# KiCad board Boston-keyboard-S.kicad_pcb (continued)
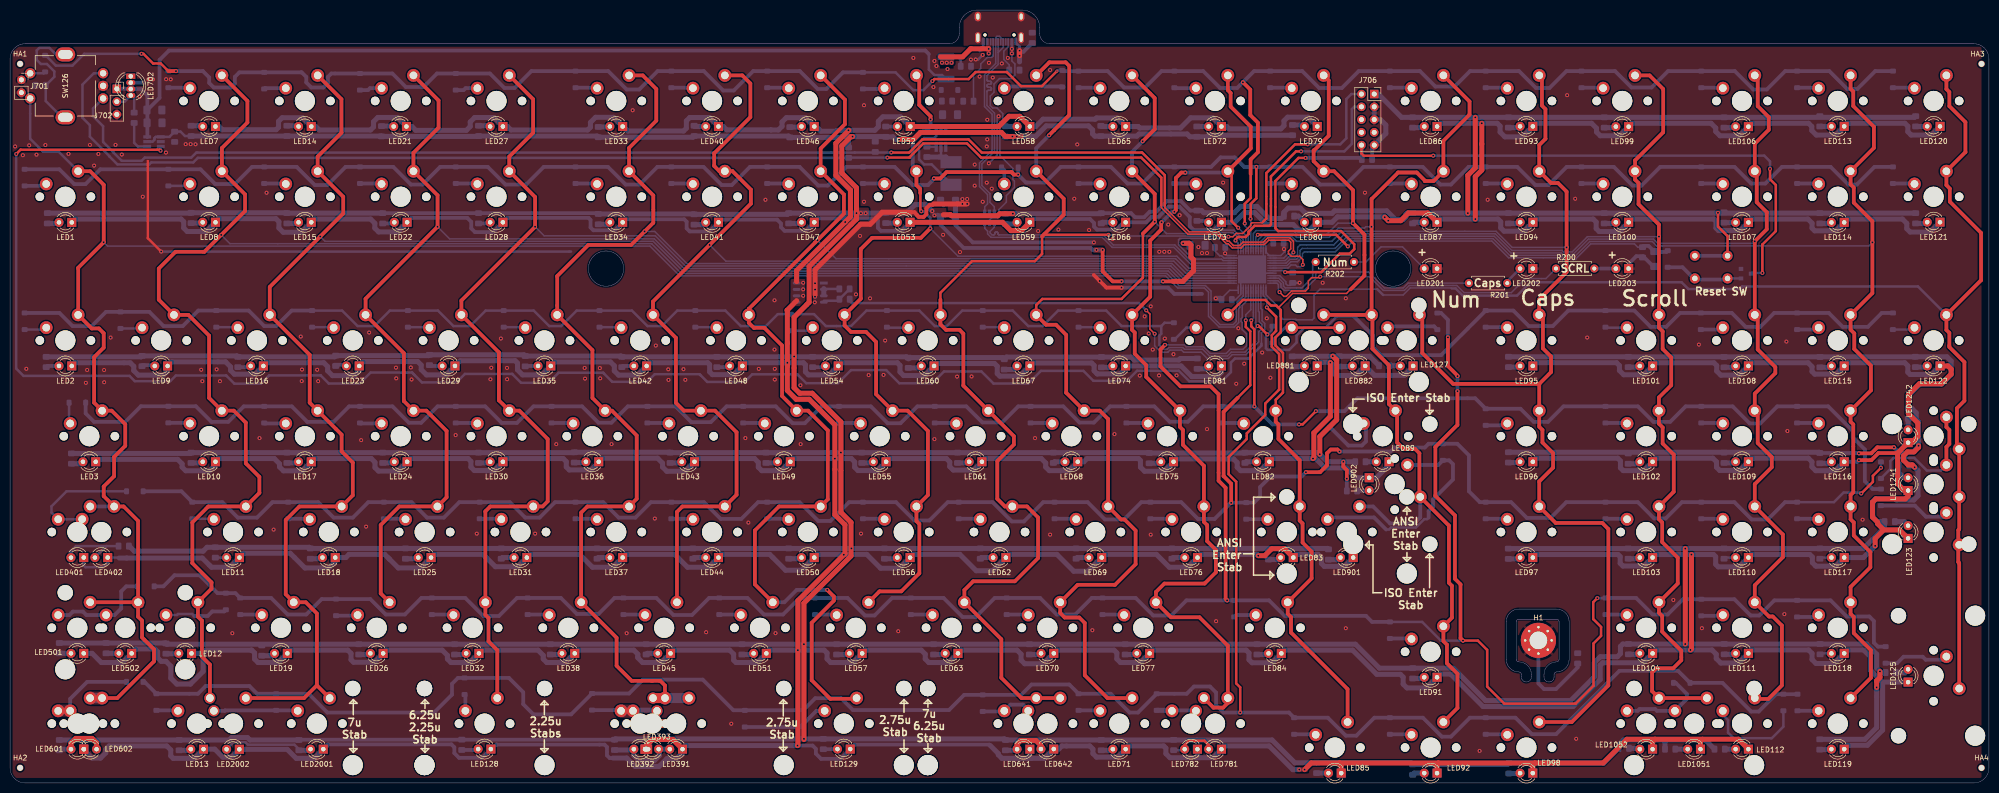
[diagram p0: board, top side]
## Routing (per net, layer and track width the routed paths; a pad name or vN(x,y) marks a point on that pad's centre or on a via; arc(x,y) is an arc through that point) (continued)
  Bottom w0.75: v1(162.49,38.39) 156.42,38.39 153.96,35.93 SW51.1
Col9: length 203.5
  Top w0.5: v1(181.18,113.69) 181,113.87 181,117.26 180.96,117.3
  Top w0.75: SW52.1 180.78,140.15 180.78,134.84 183.03,132.59 v1(183.03,131.95) ; v1(182.97,110.28) 181.1,108.4 171.4,108.4 169.16,106.16 169.16,96.3 SW54.1 165.94,90.96 167.2,89.7 170.2,89.7 172.2,87.7 172.2,77.3 SW55.1 178.47,74.03 182.5,70 182.5,57.25 SW56.1 180.23,52.07 180.8,51.5 180.8,41.7 177.2,38.1 172.87,38.1 SW57.1 ; SW53.1 180.23,118.88 180.96,118.15 180.96,117.3
  Bottom w0.3: U701.31 234.37,102.38 232,104.75 188.5,104.75 v1(182.97,110.28)
  Bottom w0.5: v1(181.18,113.69) 181.65,113.69 182.97,112.35 v1(182.97,110.28)
  Bottom w0.75: v1(183.03,131.95) 183.03,130.53 182.09,129.59 181.52,129.59 179.5,127.57 179.5,122.38 SW53.1
Col10: length 236.9
  Top w0.5: 205.2,108.7 205.2,105.2 203.75,103.75 191.25,103.75 184.99,97.49 184.99,96.09 ; v1(218.4,109) 205.75,109 205.62,109.12
  Top w0.75: SW59.1 209.5,116.19 209.5,113 205.2,108.7 ; SW58.1 206.64,143.3 209.9,143.3 210.6,142.6 210.6,132.8 v1(206.6,128.8) ; SW64-2.1 SW64-1.1 201.12,16.88 197.1,20.9 197.1,28.58 SW63.1 189.75,38.35 191.5,40.1 199.8,40.1 204.4,44.7 204.4,52.8 202.22,54.98 SW62.1 197.82,54.98 196.3,56.5 196.3,64 199.6,67.3 199.6,68.94 SW61.1 189.54,79 189.54,89.36 188.8,90.1 186.1,90.1 184.99,91.21 SW60.1 184.99,96.09
  Bottom w0.3: 219.2,109 v1(218.4,109) 220.48,109 220.71,108.76 240.07,108.76 240.75,109.44 243.16,109.44 244.71,107.89 U701.38
  Bottom w0.75: SW59.1 204.04,126.24 v1(206.6,128.8)
Col11: length 202.4
  Top w0.5: 225.25,109.25 225.25,100.5 221,96.25 205.25,96.25 204.04,95.04 SW67.1
  Top w0.75: SW71.1 218.22,16.88 213.7,21.4 213.7,31.8 212.6,32.9 209.7,32.9 208.8,33.8 SW70.1 212.27,39.4 219.7,39.4 223.8,43.5 223.8,50.2 221.6,52.4 220.91,52.4 SW69.1 218.33,72.37 216.67,74.03 SW68.1 210,77.59 210,89.1 207.98,91.12 206,91.12 SW67.1 ; v1(225.21,127.61) 227.6,130 227.6,136.19 SW65.1 ; SW66.1 227.6,117.15 v1(227.6,111.6) 225.25,109.25
  Bottom w0.3: U701.39 245.21,108.07 243.35,109.92 240.55,109.92 239.87,109.24 229.96,109.24 v1(227.6,111.6)
  Bottom w0.75: v1(225.21,127.61) 223.09,125.49 SW66.1
Col12: length 191.6
  Top w0.5: SW73.1 242.9,120.9 242.9,111.7 v1(244.2,110.4)
  Top w0.75: SW72.1 242.14,137.76 242.7,137.2 242.7,134.5 246.7,130.5 246.7,126.22 SW73.1 ; v1(231.5,113.6) 231.8,113.9 231.8,120.3 232.88,121.38 v1(233.68,121.38) ; SW78-2.1 239.28,14.97 241.2,14.97 242.14,15.91 SW78-1.1 242.14,27.3 236.49,32.95 230.83,32.95 SW77.1 227.85,37.98 229.52,39.65 237.52,39.65 239.76,41.89 239.76,46.35 238.03,48.08 238.03,51.27 237.38,51.92 SW76.1 237.38,63.07 233.22,67.23 233.22,70.19 232.62,70.8 SW75.1 225.91,80.73 225.91,83.07 223.63,85.35 223.63,89.57 223.09,90.11 SW74.1 226.7,96.69 226.7,107.86 228.89,110.05 228.89,111.41 v1(228.97,111.49)
  Bottom w0.3: U701.40 245.71,108.89 v1(244.2,110.4) ; 242.9,120.9 SW73.1
  Bottom w0.75: v1(233.68,121.38) 241.87,121.38 SW73.1 ; v1(228.97,111.49) 231.08,113.6 v1(231.5,113.6)
Col13: length 197.1
  Top w0.3: 252.12,94.59 252.26,94.59 255.02,97.34 265.75,97.34 266.57,98.17
  Top w0.5: SW81.1 245.11,96.05 249.61,96.05 250.72,94.94 251.77,94.94 252.67,94.04 252.67,89.64 251.61,88.58 251.61,86.99 253.1,85.5 253.1,77.63 251.67,76.19 SW82.1
  Top w0.75: SW85.1 265.95,18.65 254.7,29.9 254.7,33 254.05,33.65 SW84.1 258.8,40.68 258.8,46 257,47.8 257,51.6 256.43,52.17 SW83.1 256.43,64.17 252.2,68.4 252.2,71.3 251.67,71.83 SW82.1 251.67,74.02 ; SW79.1 262.2,139.69 262.2,128.7 259.3,125.8 259.2,125.8 259.2,123.65 SW80.1 263.25,121.66 267.03,117.88 267.03,111.33 v1(267.02,111.33) 269.3,109.05 269.3,100.9 266.57,98.17
  Bottom w0.3: U701.43 247.21,109.27 247.79,109.85 255.15,109.85 256,109 261.7,109 264.02,111.33 v1(267.02,111.33)
Col14: length 210.5
  Top w0.75: SW86.1 290.2,135.51 290.2,132.9 285,127.7 SW87.1 283.05,119.7 281.3,119.7 281.3,119.8 279.7,121.4 276,121.4 270.71,116.12 SW88-2.1 ; SW88-2.1 270.9,92.89 270.9,86.33 274.16,83.07 274.16,75.35 SW89.1 275.8,73.71 275.8,67.7 277.1,66.4 279.4,66.4 280.22,65.58 280.22,57.06 SW90-2.1 ; SW88-2.1 SW88-1.1 ; SW90-2.1 286.1,51.18 286.1,39.8 286.7,39.2 286.7,32.87 SW91.1 285,28.2 285.7,27.5 285.7,23.8 287.8,21.7 287.8,14.91 SW92.1 ; SW90-2.1 280.4,57.5
  Bottom w0.3: v1(270.71,110.61) 269.58,110.61 269.32,110.35 264.15,110.35 262.3,108.5 255.8,108.5 255.07,109.23 249.38,109.23 248.21,108.06 U701.45
  Bottom w0.75: SW90-2.1 280.4,52.8 279.2,51.6 274.4,51.6 271.02,54.98 SW90-1.1
Col15: length 258.5
  Top w0.75: 304.05,79.35 306.4,81.7 306.4,84.8 304.8,86.4 304.8,92.33 SW95.1 304.05,96.15 309.5,101.6 v1(309.5,106.5) 309.5,117.6 307.8,119.3 306.41,119.3 SW94.1 304.05,126.85 305.3,128.1 305.3,134 304.6,134.7 304.6,140.16 SW93.1 ; 304.05,79.35 286.95,79.35 280.8,85.5 280.8,92.52 280.41,92.91 280.24,92.91 ; 304.05,79.35 SW96.1 304.05,70.85 304.7,70.2 304.7,67.7 306.8,65.6 306.8,62.7 304.05,59.95 SW97.1 307.33,51.7 316.6,51.7 317.8,50.5 317.8,19.4 310.52,12.12 SW98.1
  Bottom w0.3: v1(309.5,106.5) 298.68,106.5 295.48,109.7 264.8,109.7 262.8,107.7 255.8,107.7 254.75,108.75 249.75,108.75 248.7,107.7 248.7,107.52 248.71,107.51 U701.46
Col16: length 238.5
  Top w0.75: SW99.1 326,140.7 328.7,138 328.7,129.4 323.1,123.8 SW100.1 323.11,121.65 323.11,119.99 323.8,119.3 323.8,115.1 327.87,111.03 v1(327.87,108.64) SW101.1 327.87,90.53 328.6,89.8 328.6,86.3 330.3,84.6 330.3,79.1 327.87,76.67 SW102.1 327.87,71.44 328.6,70.7 328.6,67.5 330.8,65.3 330.8,57.92 SW103.1 327.87,52.44 328.5,51.8 328.5,47.9 331.6,44.8 331.6,39.66 SW104.1 327.87,33.84 328.5,33.2 328.5,30.1 332.3,26.3 332.3,24.4 330.7,22.8 327.3,22.8 326.5,22 326.5,18.25 SW105-2.1 SW105-1.1
  Bottom w0.3: U701.3 253.55,103.88 254.29,104.62 255.59,104.62 256.01,105.05 256.01,106.5 256.5,107 263.2,107 265.4,109.2 295.3,109.2 298.6,105.9 308.6,105.9 308.9,105.6 310.6,105.6 313.63,108.64 v1(327.87,108.64)
Col17: length 247.5
  Top w0.75: SW106.1 347.5,140.12 347.5,134.6 349.7,132.4 349.7,129.9 346.92,127.12 SW107.1 347.3,121.27 347.3,115.5 349.3,113.5 349.3,110.1 v1(346.92,107.72) SW108.1 347.5,92.5 347.5,86.2 351,82.7 351,81.5 346.92,77.42 SW109.1 347.5,73.44 347.5,67.6 350.3,64.8 350.3,62.8 346.92,59.42 SW110.1 352.5,49.39 352.5,44.9 346.92,39.31 SW111.1 349.75,33.1 350.5,33.1 352.3,31.3 352.3,19.4 349.61,16.71 346.92,16.71
  Bottom w0.3: U701.4 253.72,103.38 254.49,104.14 255.79,104.14 256.49,104.85 256.49,105.87 256.93,106.3 263.5,106.3 265.92,108.72 295.1,108.72 298.42,105.4 308.4,105.4 308.7,105.1 310.78,105.1 313.83,108.15 326.75,108.15 327.6,107.3 346.5,107.3 v1(346.92,107.72)
Col18: length 266.8
  Top w0.75: 365.96,140.7 365.96,138.03 366.5,137.5 366.5,134.6 370.6,130.5 370.6,126.29 365.96,121.66 365.96,119.03 366.6,118.4 366.6,115.4 370.3,111.7 v1(370.3,107.5) 370.3,97.42 365.96,93.08 365.96,90.14 366.7,89.4 366.7,86.3 370,83 370,78.06 365.96,74.03 365.96,71.83 366.5,71.3 366.5,57.8 365.96,57.27 365.96,52.44 366.6,51.8 366.6,49.2 369.9,45.9 369.9,42.9 365.96,38.97 365.96,33.63 366.6,33 366.6,29.8 370,26.4 370,20.91 365.96,16.88
  Bottom w0.3: v1(370.3,107.5) 369.6,106.8 327.4,106.8 326.53,107.67 314.1,107.67 311.03,104.6 308.5,104.6 308.18,104.92 298.18,104.92 294.86,108.24 266.12,108.24 263.48,105.6 257.32,105.6 256.98,105.25 256.98,104.66 255.98,103.66 254.68,103.66 253.9,102.88 U701.5
Col19: length 283.4
  Top w0.75: SW125.1 387.56,43.75 387.38,43.92 387.38,50.28 387.56,50.45 SW124-1.1 SW124-2.1 387.1,66.86 387.1,74.5 388.6,76 388.6,83.7 385.6,86.7 385.6,89.5 385.01,90.08 SW122.1 391.9,99.97 391.9,109.4 385.7,115.6 385.7,118.2 385.01,118.88 SW121.1 388.8,125.44 388.8,131.4 385.6,134.6 385.6,137.4 385.01,137.99 SW120.1
  Bottom w0.3: 271.87,98.19 260.46,98.19 259.28,97.02 259.28,92.44 258.93,92.09 255.76,92.09 255.66,92.19 253.11,92.19 252.46,92.84 252.46,94.36 249.71,97.11 U701.13 ; 286.66,98.34 286.56,98.44 278.4,98.44 277,97.04 273.02,97.04
  Bottom w0.5: SW122.1 379.37,98.73 344.37,98.73 343.86,98.22 333.71,98.22 332.36,99.57 302.3,99.57 299.65,96.92 288.85,96.92 287.43,98.34 286.66,98.34 ; 271.87,98.19 273.02,97.04
D+: length 53.4
  Bottom w0.2: U701.33 242.77,103.36
  Bottom w0.3: U701.33 242.79,103.37 235.22,103.37 231.6,106.99 219.35,106.99 217.35,108.99 196.71,108.99 196.64,109 196.58,109.02 196.52,109.06 196.48,109.1 196.44,109.16 196.42,109.22 196.41,109.29 196.41,109.29 196.4,109.36 196.38,109.42 196.34,109.48 196.3,109.53 196.24,109.56 196.18,109.58 196.11,109.59 196.04,109.58 195.98,109.56 195.92,109.53 195.88,109.48 195.84,109.42 195.82,109.36 195.81,109.29 195.81,109.29 195.8,109.22 195.78,109.16 195.74,109.1 195.7,109.06 195.64,109.02 195.58,109 195.51,108.99 195.25,108.99 194.86,109.38 194.86,109.66 195.7,110.5 U703.4
D-: length 53.4
  Bottom w0.2: U701.32 242.77,102.91
  Bottom w0.3: U701.32 242.79,102.89 235.02,102.89 231.4,106.51 219.15,106.51 217.15,108.51 195.05,108.51 194.38,109.18 194.38,109.72 193.8,110.3 U703.6
Dbus+: length 43.9
  Bottom w0.3: 196.47,145.27 197.5,146.3 197.5,146.61 197.49,146.63 197.49,147.97 ; 196.47,145.27 196.47,147.96 196.48,147.97 ; 196.47,145.27 196.47,142.88 194.24,140.65 194.24,139.84 194.25,139.77 194.27,139.71 194.31,139.65 194.35,139.61 194.41,139.57 194.47,139.55 194.54,139.54 194.85,139.54 194.91,139.53 194.98,139.51 195.03,139.47 195.08,139.43 195.12,139.37 195.14,139.31 195.15,139.24 195.14,139.17 195.12,139.11 195.08,139.05 195.03,139.01 194.98,138.97 194.91,138.95 194.85,138.94 194.54,138.94 194.47,138.93 194.41,138.91 194.35,138.87 194.31,138.83 194.27,138.77 194.25,138.71 194.24,138.64 194.25,138.57 194.27,138.51 194.31,138.45 194.35,138.41 194.41,138.37 194.47,138.35 194.54,138.34 194.85,138.34 194.91,138.33 194.98,138.31 195.03,138.27 195.08,138.23 195.12,138.17 195.14,138.11 195.15,138.04 195.14,137.97 195.12,137.91 195.08,137.85 195.03,137.81 194.98,137.77 194.91,137.75 194.85,137.74 194.54,137.74 194.47,137.73 194.41,137.71 194.35,137.67 194.31,137.63 194.27,137.57 194.25,137.51 194.24,137.44 194.24,134.7 195.74,133.2 195.74,125.6 193.24,123.1 193.24,118.8 194.84,117.2 194.84,115.46 195.7,114.6 U703.3 ; 197.49,147.93 197.49,147.97 ; 197.49,147.97 197.47,147.96
Dbus-: length 39.7
  Bottom w0.3: 196.99,147.97 196.99,148.22 196.73,148.48 196.24,148.48 195.99,148.23 195.99,143.08 193.76,140.85 193.76,134.5 195.26,133 195.26,125.8 192.76,123.3 192.76,118.6 194.36,117 194.36,115.16 193.8,114.6 U703.1
DI: length 7.2
  Bottom w0.5: R710.1 24.67,136.38 24.33,136.72 LED702.4 22.77,135.49 J702.2
EncA: length 270.7
  Top w0.3: 238.23,109.59 234.43,109.59 229.6,114.42 229.6,114.78 ; 238.23,109.59 237.98,109.59 ; 238.23,109.59 240.2,109.59 242.05,107.75 242.38,107.75 243.24,106.88 243.24,106.88 244.48,106.88 245.16,107.56 249.2,107.56 250.06,108.42 254.47,108.42 255.18,107.7 v1(255.18,105.52)
  Top w0.5: 229.6,114.78 229.6,120.85 225.08,125.37 193.21,125.37 190.6,127.97 181.4,127.97 178.79,125.37 v1(175.22,125.37)
  Bottom w0.3: v1(255.18,105.52) 254.82,105.16 254.05,105.16 253.27,104.38 U701.2
  Bottom w0.5: SW126.A 16.5,134.12 16.5,132.6 18.5,130.6 18.5,127.47 20.61,125.37 20.61,125.32 22.2,123.72 26.15,123.72 26.79,124.36 36.04,124.36 37.03,125.36 163.29,125.36 163.3,125.35 167.94,125.35 167.96,125.37 v1(175.22,125.37)
EncB: length 285.1
  Top w0.3: v1(257.05,103.05) 257.05,104.08 256.39,104.75 254.73,104.75 254.19,105.28 254.19,105.75 254.64,106.19 254.64,107.57 254.27,107.94 250.26,107.94 249.4,107.07 245.44,107.07 244.77,106.4 244.77,106.39 243.04,106.39 242.21,107.23 242.21,107.23 241.85,107.23 239.98,109.11 234.23,109.11 228.92,114.42 228.92,114.84
  Top w0.5: 228.92,114.84 228.92,120.37 224.93,124.36 193.09,124.36 190.27,127.17 181.6,127.17 178.91,124.49 178.91,124.36 v1(174.44,124.36)
  Bottom w0.3: U701.6 251.14,102.4 254.1,102.4 254.7,103 255.6,103 255.93,102.67 256.67,102.67 v1(257.05,103.05)
  Bottom w0.5: SW126.B 16.65,141.12 14.4,138.88 14.4,132.28 15.87,130.81 15.87,128.53 19.72,124.67 19.72,124.63 21.35,123 27.67,123 28.07,123.4 36.42,123.4 37.33,124.31 R708.1 166.78,124.36 v1(174.44,124.36)
LED_PWM: length 101.5
  Top w0.3: v1(225.91,93.99) 226.65,93.25 226.65,90.27 v1(227.59,89.33)
  Bottom w0.3: U701.16 248.21,93.8 248.39,93.62 248.39,91.71 248.91,91.19 248.91,90.35 248.29,89.73 248.29,87.72 245.74,85.17 243.01,85.17 242.26,84.42 238.04,84.42 236.8,85.66 233.35,85.66 232.93,86.08 230.62,86.08 230.22,85.67 230.22,85.66 228.85,85.66 227.59,86.92 v1(227.59,89.33) 227.6,89.32
  Bottom w0.5: 167.14,95.68 167.39,95.43 224.47,95.43 v1(225.91,93.99)
LED_switch: length 2984.8
  Top w0.75: v1(367.62,64.19) 370.09,64.19 371.5,65.61 375.32,65.61
  Top w1: LED52.1 196.59,130.55 198.62,132.57 200.74,132.57 LED58.1 ; v1(334.12,26.44) 334.32,26.64 v1(334.32,45.42) ; LED53.1 197.34,111.5 199,109.84 201.12,109.84 LED59.1 ; 327.04,8.69 326.6,8.25 LED1052.1 ; 327.04,8.69 343.68,8.69 LED112.1 ; 327.04,8.69 321.49,8.69 316.77,3.97 303.18,3.97 ; LED392.1 126.57,7.47 127.74,8.64 131.79,8.64 LED391.1 ; LED92.1 283.73,3.7 284,3.97 ; v1(257.41,2.65) 258.73,3.97 264.36,3.97 ; LED83.1 253.4,46.58 250.87,46.58 249.48,45.19 v1(248.2,45.19) ; 283.73,111.28 LED87.1 281.88,113.35 278.05,113.35 276.51,111.81 v1(274.04,111.81) v1(273.34,112.51) ; v1(291.34,112.13) 291.34,120.57 292.63,121.86 v1(292.63,131.18) ; LED122.1 385.33,82.92 385.96,82.29 385.96,81.3 384.03,79.37 379.61,79.37 377.45,77.21 377.45,73.47 379.33,71.59 379.33,68.91 378.1,67.68 LED1242.1 375.32,65.61 375.32,59.5 376.67,58.16 LED1241.1 377.39,57.03 376.85,56.48 370.97,56.48 370.32,55.83 370.32,52.86 371.34,51.84 371.34,51.54 372.56,50.32 ; LED98.1 302.78,3.57 303.18,3.97 ; LED85.1 264.68,3.65 264.36,3.97 ; 156.4,95.9 154.5,94 154.56,93.94 v1(154.56,83.56) 154.56,78.04 156.3,76.3 158.9,76.3 164,71.2 v1(164,64.5) 164,53.35 166.02,51.33 166.02,45.61 v1(165.78,45.38) 156.65,36.24 v1(156.65,26.41) 156.65,7.5 v1(156.58,7.43) ; 303.18,3.97 284,3.97 ; 264.36,3.97 284,3.97 ; 372.56,50.32 370.85,48.61 v1(370.85,47.14) ; 372.56,50.32 375.7,50.32 LED123.1 ; 156.4,99.7 156.4,101.9 v1(166.05,111.55) 167.1,112.6 167.1,117.9 164.2,120.8 164.2,127.2 166.8,129.8 ; v1(262.52,83.58) 262.52,72.9 259.24,69.62 259.24,64.68 v1(259.07,64.51) ; LED1051.1 336.12,8.27
  Bottom w0.5: LED401.1 14.65,43.25 15,42.9 18.5,42.9 19.41,43.81 LED402.1 21.63,44.82 21.72,44.72
  Bottom w0.75: LED53.1 177.25,109.79 173.16,109.79 172.56,110.39 172.56,111.85 172.15,112.26 160.67,112.26 LED47.1 158.2,109.79 154.01,109.79 153.29,110.51 153.29,111.25 152.52,112.02 141.38,112.02 LED41.1 139.04,109.68 135.14,109.68 134.53,110.29 134.53,111.61 134.05,112.09 122.41,112.09 LED34.1 120.22,109.91 115.98,109.91 115.42,110.47 115.42,111.99 115.03,112.38 98.88,112.38 LED28.1 96.04,109.54 92.44,109.54 91.7,110.28 91.7,111.59 90.91,112.38 79.83,112.38 LED22.1 ; LED59.1 203.42,112.15 214.74,112.15 215.55,111.34 215.55,110.62 216.13,110.04 219.97,110.04 221.42,111.5 LED66.1 225.89,111.5 227,112.6 228.4,112.6 230.4,114.6 232.5,114.6 234.57,112.53 234.57,110.72 235.35,109.95 239.32,109.95 LED73.1 240.87,111.97 ; v1(367.62,64.19) 367.3,63.87 LED116.1 ; v1(156.58,7.43) 159.57,7.43 160.23,6.78 160.23,5.82 161.26,4.79 165.12,4.79 LED129.1 167.95,7.62 194.72,7.62 194.92,7.43 ; 119.88,4.95 119.22,4.95 118.69,5.49 118.69,7.15 118.21,7.62 96.78,7.62 96.73,7.67 95.8,6.74 LED128.1 93.87,5 89.28,5 88.34,5.94 88.34,7.09 87.77,7.67 63.23,7.67 62.91,7.36
  Bottom w1: LED81.1 240.87,81.64 240.03,80.81 234.97,80.81 232.86,82.92 LED74.1 221.82,82.45 220.71,81.34 216.2,81.34 216.15,81.39 216.12,81.39 215.55,81.96 215.55,83.02 215.06,83.51 203.36,83.51 LED67.1 200.75,80.9 196.8,80.9 196.29,81.41 196.29,82.87 195.76,83.4 183.93,83.4 183.72,83.19 LED60.1 181.81,81.01 177.67,81.01 176.95,81.73 176.95,83.04 176.43,83.56 165.06,83.56 164.67,83.17 LED54.1 162.9,81.15 158.75,81.15 158.15,81.75 158.15,83.15 157.74,83.56 146.26,83.56 LED48.1 143.9,81.2 139.65,81.2 139.1,81.75 139.1,83.2 138.74,83.56 127.21,83.56 LED42.1 124.75,81.1 121,81.1 120.15,81.95 120.15,82.95 119.38,83.72 108.32,83.72 LED35.1 105.75,81.15 101.9,81.15 100.9,82.15 100.9,83.5 100.44,83.96 89.51,83.96 LED29.1 86.7,81.15 82.8,81.15 81.75,82.2 81.75,83.1 81.06,83.79 70.29,83.79 LED23.1 69.42,81.97 68.45,81 64.1,81 63.15,81.95 63.15,82.8 62.39,83.56 51.01,83.56 LED16.1 48.73,81.28 44.6,81.28 43.85,82.03 43.85,82.75 42.86,83.74 32.14,83.74 LED9.1 31.32,81.92 30.5,81.1 25.5,81.1 24.6,82 24.6,82.85 23.89,83.56 12.91,83.56 LED2.1 ; 21.72,44.72 38.22,44.72 40.05,42.9 43.69,42.9 LED11.1 46.47,45.68 55.7,45.68 58.62,42.76 63.39,42.76 64.66,44.03 LED18.1 66.76,44.82 67.4,45.46 74.5,45.46 75.48,44.48 ; LED641.1 202.77,5.17 203.05,4.89 ; 372.28,20.06 369.95,22.38 369.95,25.05 368.56,26.44 365.37,26.44 LED118.1 362.68,23.75 359.1,23.75 358.3,24.55 358.3,25.75 357.61,26.44 346.32,26.44 LED111.1 343.73,23.85 340.15,23.85 339.25,24.75 339.25,25.6 338.41,26.44 v1(334.12,26.44) 327.27,26.44 LED104.1 324.73,23.9 316.67,23.9 316.18,23.41 316.18,20.59 310.79,15.19 292.88,15.19 286.43,21.64 284.37,21.64 LED91.1 281.62,18.9 277.75,18.9 277,19.65 277,21.05 276.45,21.6 271.75,21.6 266.94,26.41 253.41,26.41 LED84.1 250.91,23.9 246.95,23.9 246.35,24.5 246.35,25.85 245.79,26.41 227.22,26.41 LED77.1 224.76,23.94 220.79,23.94 220.07,24.66 220.07,25.85 219.51,26.41 208.17,26.41 LED70.1 205.47,23.71 201.74,23.71 201.02,24.42 201.02,25.61 200.23,26.41 189.12,26.41 LED63.1 186.66,23.94 182.69,23.94 181.97,24.66 181.97,25.61 181.18,26.41 170.07,26.41 LED57.1 167.61,23.94 163.16,23.94 162.45,24.66 162.45,25.85 161.89,26.41 v1(156.65,26.41) 151.02,26.41 LED51.1 148.56,23.94 144.35,23.94 143.87,24.42 143.87,25.61 143.08,26.41 131.97,26.41 LED45.1 129.51,23.94 125.78,23.94 124.82,24.9 124.82,25.61 124.03,26.41 112.92,26.41 LED38.1 110.46,23.94 106.73,23.94 106.01,24.66 106.01,25.37 104.98,26.41 93.87,26.41 LED32.1 91.41,23.94 87.68,23.94 86.96,24.66 86.96,25.37 85.93,26.41 74.82,26.41 LED26.1 72.41,24 68.3,24 67.8,24.5 67.8,25.75 67.14,26.41 55.51,26.41 55.13,26.03 LED19.1 53.31,23.94 49.31,23.94 48.62,24.63 48.62,25.85 48.06,26.41 38.94,26.41 38.38,25.85 ; 372.28,20.06 372.33,20 372.33,10.51 369.31,7.49 365.29,7.49 364.69,6.9 LED119.1 ; 372.28,20.06 LED125.1 ; 236.53,5.02 230.63,5.02 229.82,5.83 229.82,6.92 229.39,7.36 222.46,7.36 LED71.1 220.23,5.13 216.03,5.13 215.32,5.84 215.32,6.72 214.68,7.35 209.15,7.35 208.54,6.75 LED642.1 205.67,4.89 203.05,4.89 ; 236.53,5.02 239.17,5.02 LED781.1 241.51,7.36 250.35,7.36 255.06,2.65 v1(256.35,2.65) ; 236.53,5.02 236.09,5.45 LED782.1 ; LED122.1 382.05,81.22 377.8,81.22 377.35,81.67 377.35,82.95 376.74,83.56 365.33,83.56 LED115.1 363.07,81.3 358.82,81.3 358.3,81.83 358.3,82.78 357.52,83.56 346.28,83.56 LED108.1 343.82,81.1 340.15,81.1 339.35,81.9 339.35,83 338.79,83.56 327.23,83.56 LED101.1 324.85,81.17 320.85,81.17 320,82.03 320,83 319.43,83.57 303.43,83.57 LED95.1 ; LED83.1 255.8,45.46 260.06,45.46 260.75,44.77 260.75,43.64 261.32,43.07 265.32,43.07 267.06,44.81 ; 119.88,4.95 122.62,4.95 124.29,3.29 129.05,3.29 130.59,4.83 132.5,4.83 133.71,6.04 LED391.1 134.42,7.43 v1(156.58,7.43) ; LED121.1 381.78,109.56 377.8,109.56 377.14,110.22 377.14,111.27 376.28,112.13 365.36,112.13 LED114.1 363.03,109.8 358.82,109.8 358.3,110.33 358.3,111.33 357.49,112.13 346.28,112.13 345.64,111.5 LED107.1 344.03,109.85 339.7,109.85 339.2,110.35 339.2,111.72 338.79,112.13 322.47,112.13 LED100.1 319.98,109.65 315.98,109.65 315.38,110.25 315.38,111.55 314.79,112.13 303.43,112.13 LED94.1 301.02,109.72 297.05,109.72 296.4,110.38 296.4,111.6 295.87,112.13 284.37,112.13 LED87.1 ; LED501.1 16.32,25.77 18.14,23.94 22.35,23.94 LED502.1 25.05,26.65 28.78,26.65 29.34,26.09 29.34,24.9 30.05,24.18 31,24.18 31.95,23.23 31.95,20.85 33.15,19.66 35.86,19.66 38.38,22.18 38.38,25.85 ; LED881.1 260.65,83.67 262.43,83.67 v1(262.52,83.58) 262.82,83.28 262.82,81.88 263.68,81.03 267.55,81.03 LED882.1 271.31,81.05 277.23,81.05 278.97,82.8 LED127.1 ; LED3.1 17.51,64.35 33.32,64.35 34.21,63.46 34.21,62.8 34.93,62.08 39.66,62.08 40.84,63.27 LED10.1 41.48,64.51 52.54,64.51 53.58,63.47 53.58,62.85 54.36,62.07 58.09,62.07 LED17.1 60.53,64.51 71.82,64.51 72.56,63.77 72.56,62.72 73.26,62.02 77.09,62.02 LED24.1 79.58,64.51 91.07,64.51 91.64,63.94 91.64,62.8 92.31,62.13 96.25,62.13 LED30.1 98.63,64.51 109.99,64.51 110.6,63.9 110.6,62.84 111.19,62.25 115.56,62.25 117.04,63.73 LED36.1 117.76,64.58 128.76,64.58 129.74,63.6 129.74,62.82 130.58,61.98 134.21,61.98 LED43.1 136.73,64.51 148.03,64.51 148.78,63.76 148.78,62.79 149.47,62.1 153.38,62.1 LED49.1 155.78,64.51 167.27,64.51 167.94,63.84 167.94,62.78 168.6,62.12 172.44,62.12 LED55.1 174.83,64.51 186.17,64.51 186.85,63.83 186.85,62.91 187.54,62.22 191.59,62.22 LED61.1 193.88,64.51 205.05,64.51 205.93,63.63 205.93,62.82 206.64,62.11 210.54,62.11 LED68.1 213.5,63.87 214.14,64.51 224.37,64.51 224.76,64.12 224.76,62.81 225.58,61.99 229.46,61.99 LED75.1 231.91,64.44 243.27,64.44 244,63.71 244,62.78 244.68,62.1 248.62,62.1 LED82.1 251.03,64.51 v1(259.07,64.51) 259.61,64.51 261.48,62.64 265.68,62.64 267.62,60.69 LED902.1 271.67,60.69 273.84,62.87 273.84,62.93 ; LED116.1 362.93,62.1 359.03,62.1 358.28,62.85 358.28,63.87 357.57,64.58 346.36,64.58 LED109.1 343.93,62.15 339.94,62.15 339.31,62.78 339.31,63.85 338.58,64.58 327.31,64.58 LED102.1 324.83,62.11 320.75,62.11 320.2,62.66 320.2,64.05 319.67,64.58 303.49,64.58 LED96.1 ; LED120.1 382.02,128.85 378,128.85 377.35,129.5 377.35,130.6 376.77,131.18 365.31,131.18 LED113.1 362.97,128.85 359.15,128.85 358.25,129.75 358.25,130.55 357.62,131.18 346.31,131.18 LED106.1 343.83,128.7 340,128.7 339.15,129.55 339.15,130.25 338.22,131.18 322.5,131.18 LED99.1 320.01,128.7 316.2,128.7 315.45,129.45 315.45,130.2 314.47,131.18 303.4,131.18 LED93.1 300.69,128.48 297.23,128.48 296.27,129.43 296.27,130.62 295.71,131.18 v1(292.63,131.18) 284.38,131.18 LED86.1 ; LED12.1 38.31,25.77 38.38,25.85 ; LED1.1 12.93,112.13 34.02,112.13 34.53,111.62 34.53,110.36 35.23,109.66 39.01,109.66 LED8.1 41.56,112.21 52.87,112.21 53.46,111.62 53.46,110.36 54.31,109.51 57.91,109.51 LED15.1 60.53,112.13 71.7,112.13 72.53,111.3 72.53,110.33 73.28,109.58 77.03,109.58 LED22.1 ; LED58.1 203.94,130.55 205.4,132 215.77,132 216.02,132.25 220.12,132.25 LED65.1 224.31,130.55 224.6,130.25 232.73,130.25 234.75,132.28 239.14,132.28 LED72.1 241.9,130.55 242.38,130.07 252.68,130.07 253.3,130.7 253.3,131.68 254.02,132.4 258.06,132.4 LED79.1 ; LED59.1 203.3,112.02 ; 194.92,7.43 196.5,5.85 196.5,5.61 197.21,4.89 203.05,4.89 ; v1(166.05,111.55) 166.05,112.12 166.03,112.13 165.94,112.13 ; LED602.1 14.66,6.59 16.31,4.94 17.98,4.94 19.03,5.98 19.03,6.69 19.69,7.36 31.16,7.36 31.95,6.56 31.95,5.37 32.43,4.89 36.64,4.89 LED13.1 40.69,6.72 42.3,5.11 44.01,5.11 LED2002.1 45.61,6.68 55.11,6.68 56.89,4.89 60.45,4.89 62.91,7.36 ; LED7.1 41.56,130.55 42.19,129.91 52.91,129.91 53.39,130.39 53.39,131.58 54.1,132.29 58.15,132.29 LED14.1 60.78,130.55 61.47,129.85 71.67,129.85 72.28,130.45 72.28,131.5 73.12,132.35 77.01,132.35 LED21.1 79.91,130.55 80.68,129.78 90.72,129.78 91.5,130.55 91.5,131.45 92.38,132.32 96.22,132.32 LED27.1 98.91,130.55 99.6,129.85 114.85,129.85 115.4,130.4 115.4,131.35 116.43,132.38 119.98,132.38 LED33.1 121.93,130.55 122.82,129.65 133.93,129.65 134.47,130.2 134.47,131.65 135.15,132.32 139.08,132.32 LED40.1 141.81,130.55 142.47,129.88 151.3,129.88 151.32,129.85 152.78,129.85 153.5,130.57 153.5,131.45 154.35,132.3 158.15,132.3 LED46.1 160.28,130.55 161.22,129.6 164.3,129.6 164.49,129.79 v1(166.69,129.79) 171.96,129.79 172.65,130.48 172.65,131.57 173.55,132.47 177.07,132.47 LED52.1 ; LED97.1 302.78,45.05 303.15,45.42 319.74,45.42 320.15,45.01 320.15,43.68 320.69,43.14 324.92,43.14 LED103.1 327.19,45.42 v1(334.32,45.42) 338.72,45.42 339.14,45 339.14,43.48 339.65,42.97 343.8,42.97 LED110.1 346.24,45.42 357.87,45.42 358.37,44.92 358.37,43.81 358.94,43.24 358.95,43.24 359.09,43.1 362.98,43.1 LED117.1 368.5,44.82 370.82,47.14 v1(370.85,47.14) ; 75.13,44.82 75.48,44.48 ; 75.48,44.48 77.2,42.76 81.64,42.76 LED25.1 84.35,45.46 94.04,45.46 96.5,43 100.94,43 LED31.1 103.4,45.46 113.24,45.46 115.8,42.9 119.89,42.9 LED37.1 122.45,45.46 132.14,45.46 134.7,42.9 138.94,42.9 LED44.1 141.5,45.46 151.04,45.46 154.2,42.3 157.39,42.3 LED50.1 160.55,45.46 170.34,45.46 173.1,42.7 176.84,42.7 LED56.1 179.6,45.46 188.84,45.46 192.1,42.2 195.39,42.2 LED62.1 198.65,45.46 208.14,45.46 211.5,42.1 214.34,42.1 LED69.1 217.7,45.46 227.94,45.46 230.5,42.9 234.19,42.9 LED76.1 236.75,45.46 247.93,45.46 v1(248.2,45.19) ; v1(273.34,112.51) 273.27,112.58 263.95,112.58 262.88,111.5 LED80.1 258.27,109.85 256.32,109.85 255.12,111.05 249.85,111.05 247.5,113.4 245.4,113.4 243.5,111.5 LED73.1
  vias: v1(157.7,99.46) v1(157.7,98.16) v1(157.7,96.88)
NRST: length 177.2
  Top w0.5: J706.10 268.71,125.16 269.15,124.72 282.95,124.72 v1(282.98,124.75) ; v1(349.95,122.1) 349.95,120.05 351.1,118.9 351.1,109.75 348.43,107.08 v1(348.43,101.42) ; v1(253.53,101.58) 260.73,101.58 264.4,105.25 266.37,105.25 267.27,106.16 267.27,107.12 264.65,109.75 252.16,109.75 251.6,110.31 251.6,119.7 256.2,124.3 v1(257.6,124.3)
  Bottom w0.3: U701.7 253.24,101.88 v1(253.53,101.58)
  Bottom w0.5: Q701.3 346.32,101.42 v1(348.43,101.42) ; v1(282.98,124.75) 348.8,124.75 349.95,123.6 v1(349.95,122.1)
  Bottom w0.75: J706.10 268.77,126.78 C702.1 268.48,124.3 v1(257.6,124.3)
